# Altium PCB Lancelot.PcbDoc (part 4 of 14)
Units mil, origin at the board's own origin, x right, y up, seen from the top; angles counter-clockwise.
Board outline 4837.61 x 3252.61 mil, 6 copper layers (Top Layer, Mid-Layer 1, Mid-Layer 2, Mid-Layer 3, Mid-Layer 4, Bottom Layer); 372 components, 275 nets, 2062 pads, 1350 vias.
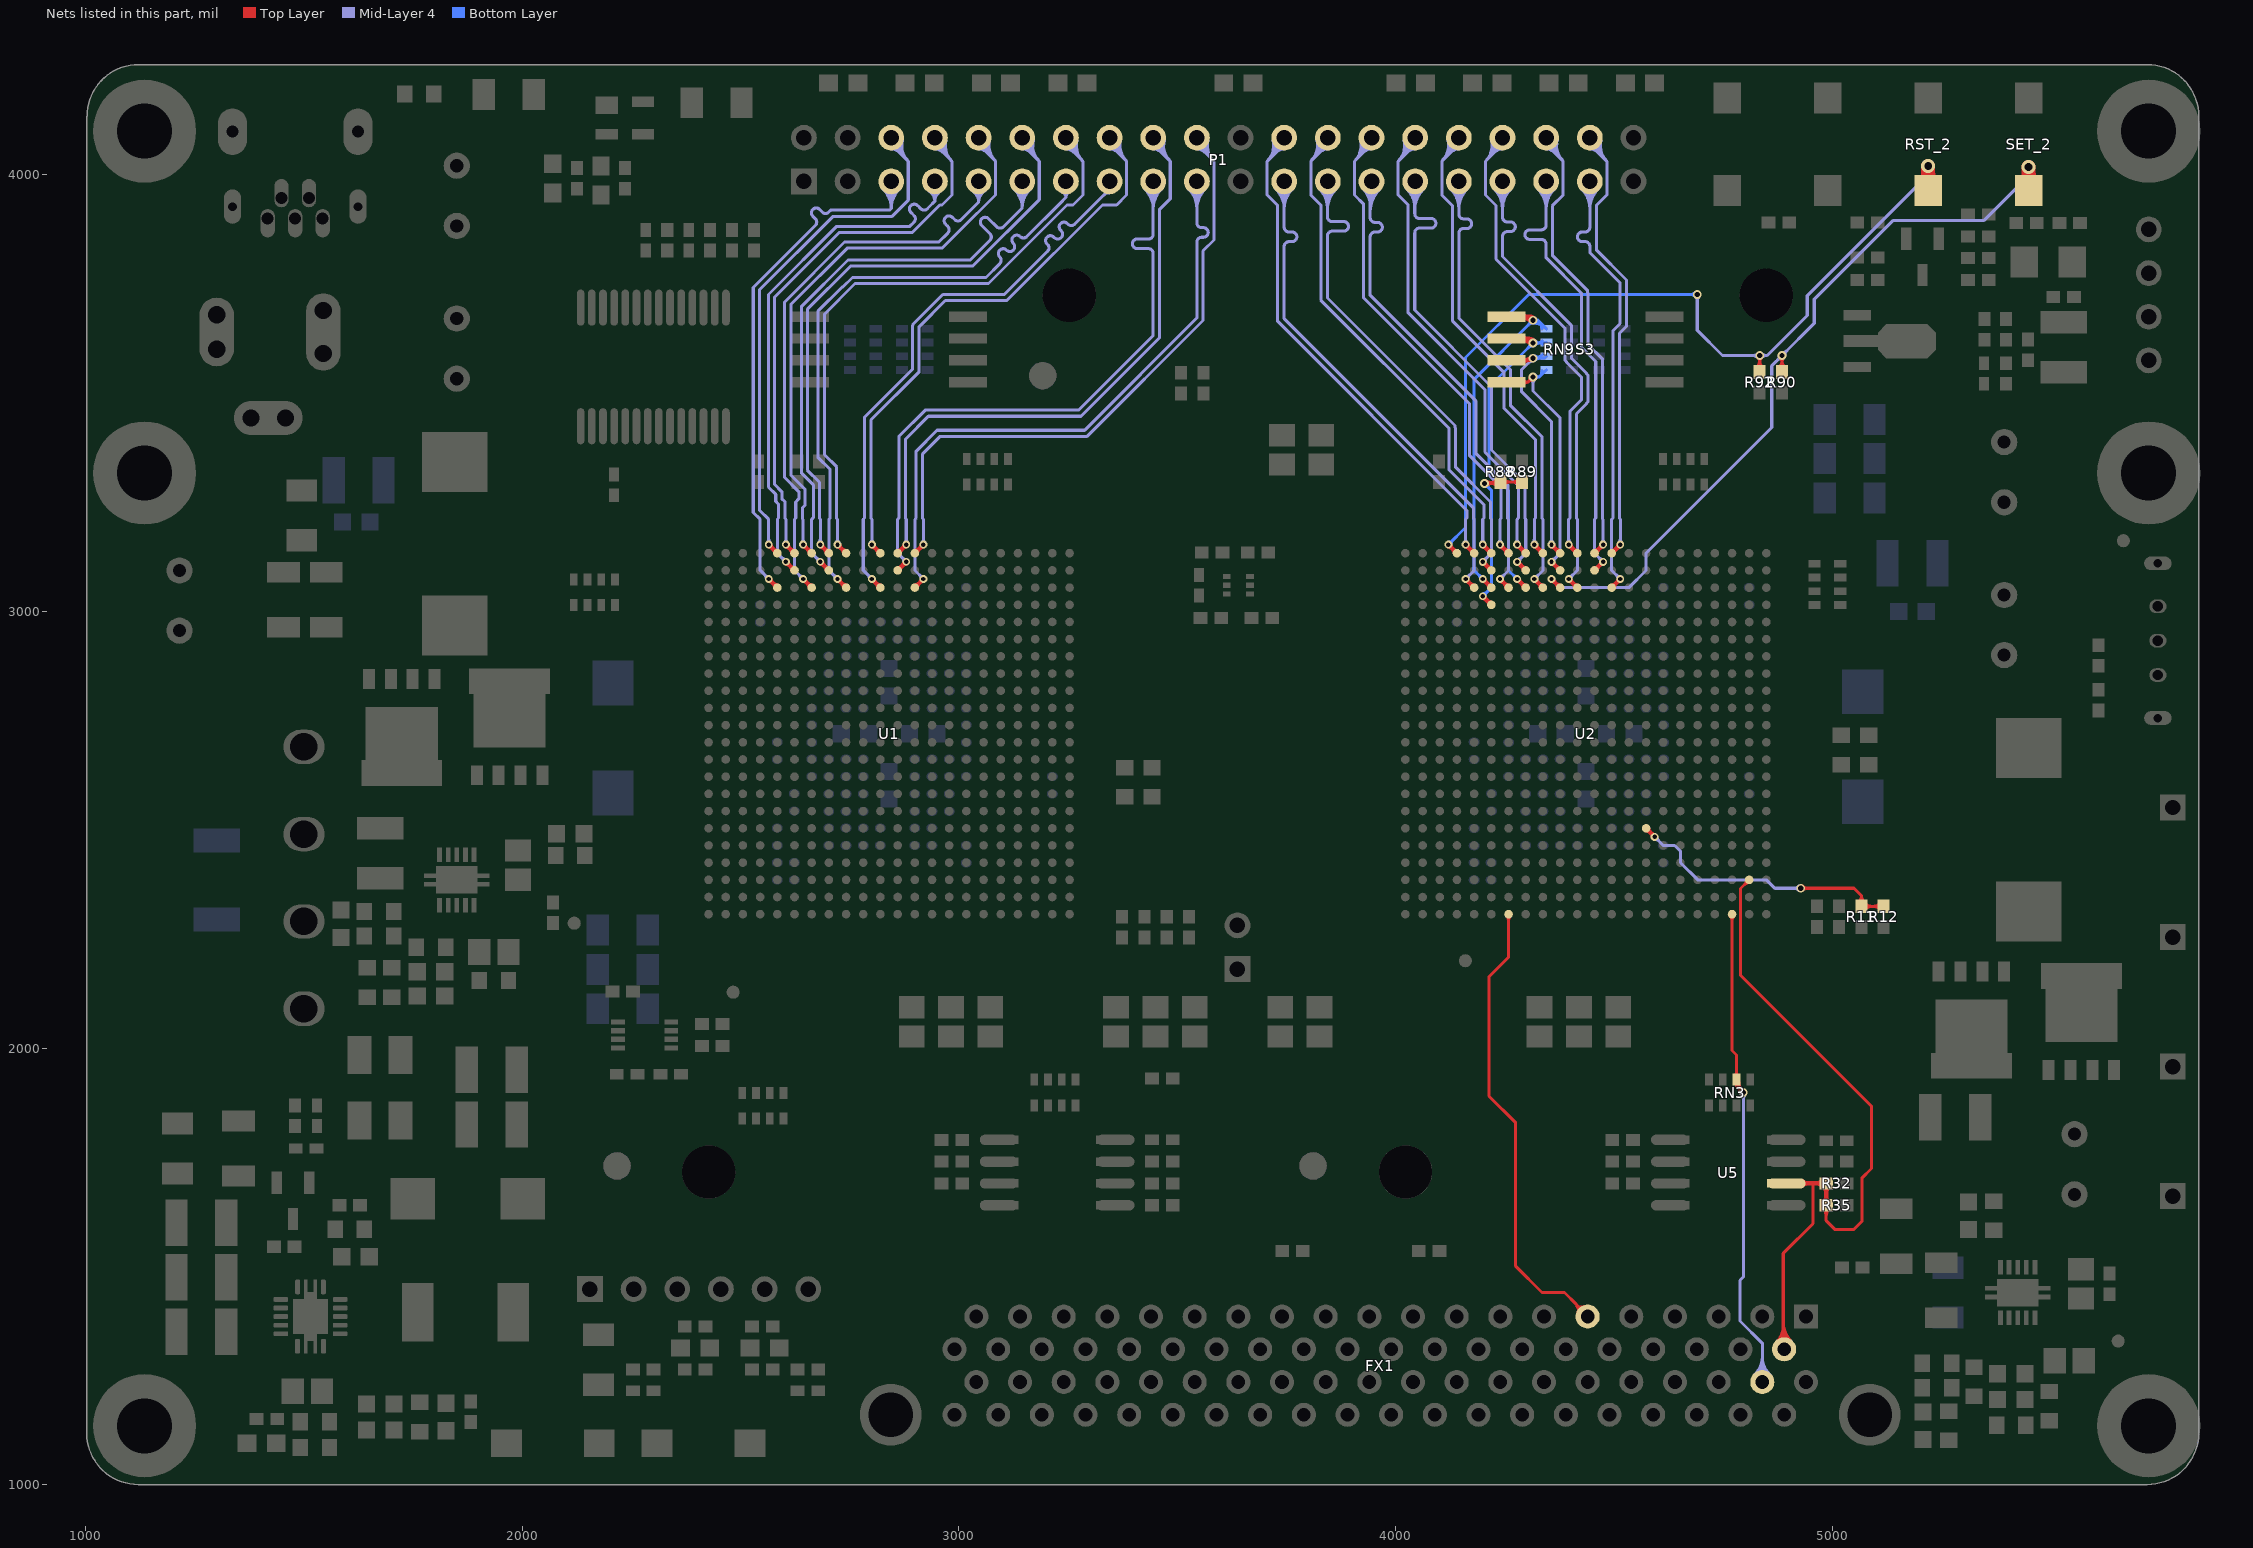
[diagram p8: the nets of this part, all layers, seen from the top]

## Via types
v1: diameter 18, hole 10, Top Layer to Bottom Layer, tented both sides, 625 vias
v2: diameter 20, hole 12, Top Layer to Bottom Layer, tented both sides, 515 vias
v3: diameter 32, hole 18, Top Layer to Bottom Layer, tented both sides, 191 vias
v4: diameter 23.62, hole 11.81, Top Layer to Bottom Layer, tented bottom, 10 vias
v5: diameter 19.68, hole 11.81, Top Layer to Bottom Layer, tented bottom, 4 vias
v6: diameter 118.11, hole 118.11, Top Layer to Bottom Layer, tented bottom, 2 vias
v7: diameter 78.74, hole 78.74, Top Layer to Bottom Layer, tented bottom, 2 vias
v8: diameter 50, hole 28, Top Layer to Bottom Layer, tented both sides, 1 vias

## Nets (pads, with @x,y where several pads share a name; then routed paths per layer and width w, separated by ;. In a path a pad name is that pad's centre, name@x,y a point inside that pad or via, vN(x,y) a via of type N, cw(c..) or ccw(c..) an arc to the next point about the centre after c; other vN are vias at no path point) (continued)
FPGA2_M1: R11.2 R12.2 U2.U15 | length 862.7
  Top Layer w7: v2(4928,2366) 5050,2366 5067,2349 ; v2@4932.6,2361.4 cw(c4943.69,2350.31) 4943.69,2366 cw(c4943.69,2381.69) v2@4932.6,2370.6 ; R11.2@5060.3,2334.38 ccw(c5047.72,2349) 5067,2349 ; R11.2@5073.71,2334.38 cw(c5086.28,2349) 5067,2349 ; R11.2@5074.27,2317.35 cw(c5091.82,2299.81) 5091.82,2324.62 cw(c5091.82,2349.44) R11.2@5074.27,2331.89 ; R12.2@5110.73,2317.35 ccw(c5093.18,2299.81) 5093.18,2324.62 ccw(c5093.18,2349.44) R12.2@5110.73,2331.89 ; R12.2@5118,2324.62 R11.2@5067,2324.62 5067,2349
  Top Layer w10: U2.U15@4573.79,2498.55 cw(c4573.79,2486.86) 4582.05,2495.13 cw(c4590.32,2503.39) U2.U15@4578.63,2503.39 ; U2.U15@4573.79,2503.39 v1(4593.47,2483.71) ; v1@4589.47,2483.71 ccw(c4579.82,2483.71) 4586.64,2490.54 ccw(c4593.47,2497.36) v1@4593.47,2487.71
  Mid-Layer 4 w7: v1@4593.47,2478.21 cw(c4593.47,2464.93) 4602.86,2474.32 cw(c4612.25,2483.71) v1@4598.97,2483.71 ; v1(4593.47,2483.71) 4613.16,2464.02 4639.32,2464.02 4652.53,2450.82 4652.53,2424.65 4691.9,2385.28 4849.38,2385.28 4868.66,2366 v2(4928,2366) ; v2@4923.4,2361.4 ccw(c4912.31,2350.31) 4912.31,2366 ccw(c4912.31,2381.69) v2@4923.4,2370.6
FPGA2_RDWR_B: FX1.11 U2.AB7 | length 1124.9
  Top Layer w7: U2.AB7@4254.34,2302.06 cw(c4243.51,2291.23) 4258.83,2291.23 cw(c4274.14,2291.23) U2.AB7@4263.31,2302.06 ; U2.AB7@4258.83,2306.54 4258.83,2208 4214.24,2163.42 4214.24,1889.79 4275,1829.03 4275,1500.38 4335.38,1440 4387,1440 4414,1413 4414,1411.12 ; FX1.11@4417.6,1393.9 ccw(c4402.64,1399.76) 4414,1411.12 ; FX1.11@4431.22,1407.52 cw(c4425.36,1422.48) 4414,1411.12 ; FX1.11@4440,1385.12 4414,1411.12
FPGA2_SCK: FX1.2 R32.2 R35.1 U2.Y21 U5.6 | length 1955.6
  Top Layer w7: U2.Y21@4803.67,2385.28 cw(c4788.35,2385.28) 4799.18,2374.46 cw(c4810.01,2363.63) U2.Y21@4810.01,2378.94 ; U2.Y21@4810.01,2385.28 4790,2365.28 4790,2166.79 5090,1866.79 5090,1724 5068,1702 5068,1603 5049,1584 5007,1584 4986.38,1604.62 R35.1@4986.38,1640 ; FX1.2@4872.99,1327.13 ccw(c4836.74,1363.37) 4888,1363.37 ; FX1.2@4877.94,1322.18 ccw(c4853.64,1346.47) 4888,1346.47 ; 4888,1339.23 ccw(c4919.11,1339.23) FX1.2@4897.11,1317.23 ; 4888,1356.13 ccw(c4936.01,1356.13) FX1.2@4902.06,1322.18 ; 4888,1373.03 ccw(c4952.91,1373.03) FX1.2@4907.01,1327.13 ; FX1.2@4890,1310.12 4888,1312.12 4888,1530 4956,1598 4956,1690 ; R35.1@4979.11,1632.73 cw(c4961.56,1615.18) 4986.38,1615.18 cw(c5011.19,1615.18) R35.1@4993.65,1632.73
  Top Layer w10: U5.6@4916.1,1690 4956,1690 R32.2@4986.38,1690 R35.1@4986.38,1640 ; U5.6@4932.17,1685.18 cw(c4943.8,1673.56) 4943.8,1690 cw(c4943.8,1706.44) U5.6@4932.17,1694.82 ; R32.2@4978.2,1683.79 ccw(c4963.21,1668.8) 4963.21,1690 ccw(c4963.21,1711.2) R32.2@4978.2,1696.21 ; R35.1@4980.17,1646.21 ccw(c4965.18,1661.2) 4986.38,1661.2 ccw(c5007.57,1661.2) R35.1@4992.59,1646.21 ; R32.2@4980.17,1683.79 cw(c4965.18,1668.8) 4986.38,1668.8 cw(c5007.57,1668.8) R32.2@4992.59,1683.79
FPGA2_SDI: FX1.43 RN3.6 U2.AB20 | length 1421.3
  Top Layer w7: U2.AB20@4766.15,2302.06 cw(c4755.33,2291.23) 4770.64,2291.23 cw(c4785.95,2291.23) U2.AB20@4775.12,2302.06 ; U2.AB20@4770.64,2306.54 4770.64,1994.36 4780.75,1984.25 RN3.6@4780.75,1927.53 4780.75,1913.74 v2(4796.5,1897.99) ; RN3.6@4776.96,1936.24 ccw(c4767.81,1945.38) 4780.75,1945.38 ccw(c4793.68,1945.38) RN3.6@4784.54,1936.24 ; RN3.6@4779.11,1922.61 ccw(c4796.55,1922.61) 4784.22,1910.27 ; RN3.6@4786.11,1922.61 ccw(c4820.45,1922.61) v2@4796.17,1898.32 ; 4788.4,1911.77 ccw(c4802.35,1919.82) v2@4798.18,1904.27 ; 4788.69,1911.27 cw(c4775.46,1903.63) v2@4790.22,1899.67 ; v2@4790,1897.99 ccw(c4774.3,1897.99) 4785.4,1909.09 ccw(c4796.5,1920.18) v2@4796.5,1904.49
  Mid-Layer 4 w7: v2@4791.9,1893.39 cw(c4780.8,1882.3) 4796.5,1882.3 cw(c4812.19,1882.3) v2@4801.09,1893.39 ; v2(4796.5,1897.99) 4796.5,1475.5 4789,1468 4789,1375 4840,1324 FX1.43@4840,1235.12 ; FX1.43@4822.99,1252.13 ccw(c4781.92,1293.2) 4840,1293.2 ccw(c4898.08,1293.2) FX1.43@4857.01,1252.13 ; FX1.43@4827.94,1247.18 ccw(c4798.81,1276.3) 4840,1276.3 ccw(c4881.18,1276.3) FX1.43@4852.06,1247.18
FPGA2_SW1: R92.1 RST_2.1 U2.A4 | length 2306.8
  Top Layer w7: R92.1@4826.73,3557.86 ccw(c4809.18,3575.41) 4834,3575.41 ccw(c4858.82,3575.41) R92.1@4841.27,3557.86 ; v2@4829.4,3581.4 cw(c4818.31,3570.31) 4834,3570.31 cw(c4849.69,3570.31) v2@4838.6,3581.4 ; R92.1@4834,3548.62 v2(4834,3586)
  Top Layer w10: v1@4121.03,3149 cw(c4121.03,3139.34) 4127.86,3146.17 cw(c4134.69,3153) v1@4125.03,3153 ; v1(4121.03,3153) U2.A4@4140.72,3133.32 ; U2.A4@4135.87,3133.32 ccw(c4124.18,3133.32) 4132.45,3141.58 ccw(c4140.72,3149.85) U2.A4@4140.72,3138.16
  Top Layer w32: RST_2.1@5209.04,3978.6 ccw(c5182.59,4005.05) 5220,4005.05 ccw(c5257.41,4005.05) RST_2.1@5230.96,3978.6 ; RST_2.1@5220,3963.7 v3(5220,4020)
  Mid-Layer 4 w7: v2@4686.4,3721.4 cw(c4675.31,3710.31) 4691,3710.31 cw(c4706.69,3710.31) v2@4695.6,3721.4 ; v2(4691,3726) 4691,3644 4749,3586 v2(4834,3586) 4851,3586 4943,3678 4943,3723 5220,4000 ; v2@4829.4,3581.4 ccw(c4818.31,3570.31) 4818.31,3586 ccw(c4818.31,3601.69) v2@4829.4,3590.6 ; v2@4838.6,3581.4 cw(c4849.69,3570.31) 4849.69,3586 cw(c4849.69,3601.69) v2@4838.6,3590.6 ; v3@5214.52,4008.76 cw(c5210.25,4000) 5220,4000 ; v3(5220,4020) 5220,4000 ; v3@5225.48,4008.76 ccw(c5229.75,4000) 5220,4000
  Bottom Layer w7: v1(4121.03,3153) 4160.4,3192.37 4160.4,3581.5 4304.9,3726 v2(4691,3726) ; v1@4121.03,3158.5 ccw(c4121.03,3171.78) 4130.42,3162.39 ccw(c4139.81,3153) v1@4126.53,3153 ; v2@4686.4,3721.4 ccw(c4675.31,3710.31) 4675.31,3726 ccw(c4675.31,3741.69) v2@4686.4,3730.6
FPGA2_SW2: R88.1 R89.2 U2.D6 | length 627.1
  Top Layer w7: v2(4204,3293) R88.1@4236.62,3293 ; v2@4207.49,3298.48 ccw(c4218.11,3315.17) 4223.22,3296.07 ; v2@4208.6,3288.4 cw(c4219.69,3277.31) 4219.69,3293 cw(c4219.69,3308.69) v2@4208.6,3297.6 ; v2@4209.63,3289.75 cw(c4217.27,3285.34) 4214.98,3293.86 ; v2@4211.78,3293 ccw(c4211.78,3322.63) R88.1@4232.73,3301.68 ; 4218.59,3293 cw(c4218.59,3273) R88.1@4232.73,3287.14 ; R88.1@4240,3296.38 R89.2@4290,3296.38 ; R88.1@4247.27,3289.11 cw(c4264.82,3271.56) 4264.82,3296.38 cw(c4264.82,3321.19) R88.1@4247.27,3303.65 ; R89.2@4282.73,3289.11 ccw(c4265.18,3271.56) 4265.18,3296.38 ccw(c4265.18,3321.19) R89.2@4282.73,3303.65
  Top Layer w10: v1@4199.77,3030.89 cw(c4199.77,3021.23) 4206.6,3028.06 cw(c4213.43,3034.89) v1@4203.77,3034.89 ; v1(4199.77,3034.89) U2.D6@4219.46,3015.2 ; U2.D6@4214.61,3015.2 ccw(c4202.92,3015.2) 4211.19,3023.47 ccw(c4219.46,3031.74) U2.D6@4219.46,3020.05
  Bottom Layer w7: v1(4199.77,3034.89) 4219.46,3054.58 4219.46,3277.54 v2(4204,3293) ; v1@4199.77,3040.39 ccw(c4199.77,3053.67) 4209.16,3044.28 ccw(c4218.55,3034.89) v1@4205.27,3034.89 ; v2@4204,3286.5 cw(c4204,3270.81) 4215.1,3281.9 cw(c4226.19,3293) v2@4210.5,3293
FPGA2_SW3: RN9.8 S3.1 U2.C6 | length 1036.3
  Top Layer w10: v1@4199.77,3070.26 cw(c4199.77,3060.6) 4206.6,3067.43 cw(c4213.43,3074.26) v1@4203.77,3074.26 ; v1(4199.77,3074.26) U2.C6@4219.46,3054.57 ; U2.C6@4214.61,3054.57 ccw(c4202.92,3054.57) 4211.19,3062.84 ccw(c4219.46,3071.11) U2.C6@4219.46,3059.42 ; S3.1@4253.9,3675 4307,3675 ; S3.1@4283.62,3675 cw(c4283.62,3635.62) v2@4311.46,3663.46 ; S3.1@4290.21,3670.18 cw(c4301.84,3658.56) 4301.84,3675 cw(c4301.84,3691.44) S3.1@4290.21,3679.82 ; 4307.76,3675 cw(c4307.76,3659.76) v2@4318.54,3670.54 ; v2@4310.01,3667.23 ccw(c4299.72,3667.72) 4307,3675 ; v2@4314.77,3671.99 cw(c4314.28,3682.28) 4307,3675 ; v2(4315,3667) 4307,3675
  Bottom Layer w7: v1@4194.27,3074.26 ccw(c4180.99,3074.26) 4190.38,3083.65 ccw(c4199.77,3093.04) v1@4199.77,3079.76 ; v1(4199.77,3074.26) 4180.09,3093.94 4180.09,3532.09 v2(4315,3667) 4325.72,3667 ; v2@4308.5,3667 cw(c4292.81,3667) 4303.9,3655.9 cw(c4315,3644.81) 4315,3660.5 cw(c4315,3618.94) RN9.8@4344.39,3648.33 ; v2@4315,3667.5 cw(c4315,3642.84) 4332.44,3660.28 ; v2@4320.76,3664 cw(c4325.72,3661.42) 4325.72,3667 ; v2@4320.76,3670 ccw(c4325.72,3672.58) 4325.72,3667 ; 4327.92,3664.79 cw(c4310.38,3647.24) RN9.8@4335.19,3647.24 ; RN9.8@4345.47,3647.24 4325.72,3667
FPGA2_SW4: RN9.7 S3.2 U2.C8 | length 955.6
  Top Layer w10: S3.2@4253.9,3625 4305,3625 v2(4315,3615) ; v1@4278.51,3070.26 cw(c4278.51,3060.6) 4285.34,3067.43 cw(c4292.17,3074.26) v1@4282.51,3074.26 ; v1(4278.51,3074.26) U2.C8@4298.2,3054.57 ; S3.2@4278.79,3625 cw(c4278.79,3578.79) v2@4311.46,3611.46 ; S3.2@4290.21,3620.18 cw(c4301.84,3608.56) 4301.84,3625 cw(c4301.84,3641.44) S3.2@4290.21,3629.82 ; U2.C8@4293.35,3054.57 ccw(c4281.66,3054.57) 4289.93,3062.84 ccw(c4298.2,3071.11) U2.C8@4298.2,3059.42 ; 4302.93,3625 cw(c4302.93,3602.93) v2@4318.54,3618.54 ; v2@4310,3615 ccw(c4297.93,3615) 4306.46,3623.54 ccw(c4315,3632.07) v2@4315,3620
  Bottom Layer w7: v1@4273.01,3074.26 ccw(c4259.73,3074.26) 4269.12,3083.65 ccw(c4278.51,3093.04) v1@4278.51,3079.76 ; v1(4278.51,3074.26) 4258.83,3093.94 4258.83,3277.17 4214,3322 4214,3514 v2(4315,3615) 4344.72,3615 RN9.7@4345.47,3615.75 ; v2@4308.5,3615 cw(c4292.81,3615) 4303.9,3603.9 cw(c4315,3592.81) v2@4315,3608.5 ; v2@4319.6,3610.4 cw(c4330.69,3599.31) 4330.69,3615 cw(c4330.69,3630.69) v2@4319.6,3619.6 ; 4325.81,3615 ccw(c4325.81,3630.49) RN9.7@4336.76,3619.54 ; 4329.42,3615 cw(c4329.42,3604.62) RN9.7@4336.76,3611.96
FPGA2_SW5: RN9.6 S3.3 U2.A10 | length 849.2
  Top Layer w7: S3.3@4253.9,3575 4310,3575 v2(4315,3580) ; S3.3@4287.24,3575 ccw(c4287.24,3607.76) v2@4310.4,3584.6 ; S3.3@4291.27,3569.12 cw(c4305.46,3554.94) 4305.46,3575 cw(c4305.46,3595.06) S3.3@4291.27,3580.88 ; S3.3@4294.95,3572.18 ccw(c4288.8,3595.12) v2@4309.37,3583.25 ; 4301.51,3573.94 ccw(c4298.93,3583.56) v2@4308.65,3581.41 ; 4304.14,3575 ccw(c4304.14,3590.86) v2@4315.35,3579.65 ; 4305.96,3575.13 cw(c4307.93,3567.76) 4311.75,3574.37 ccw(c4307.93,3567.76) 4305.96,3575.13
  Top Layer w10: v1@4357.25,3149 cw(c4357.25,3139.34) 4364.08,3146.17 cw(c4370.91,3153) v1@4361.25,3153 ; v1(4357.25,3153) U2.A10@4376.94,3133.32 ; U2.A10@4372.09,3133.32 ccw(c4360.4,3133.32) 4368.67,3141.58 ccw(c4376.94,3149.85) U2.A10@4376.94,3138.16
  Mid-Layer 4 w7: v2@4308.5,3580 cw(c4292.81,3580) 4303.9,3568.9 cw(c4315,3557.81) v2@4315,3573.5 ; v2(4315,3580) 4288,3553 4288,3504 4357.25,3434.75 v1(4357.25,3153) ; v1@4353.36,3156.89 ccw(c4343.97,3166.28) 4357.25,3166.28 ccw(c4370.53,3166.28) v1@4361.14,3156.89
  Bottom Layer w7: v2(4315,3580) 4341.22,3580 RN9.6@4345.47,3584.25 ; v2@4317.35,3580 ccw(c4317.35,3607.45) RN9.6@4336.76,3588.04 ; v2@4318.68,3585.36 ccw(c4326.49,3596.73) 4330.06,3583.41 ; v2@4319.6,3575.4 cw(c4330.69,3564.31) 4330.69,3580 cw(c4330.69,3595.69) v2@4319.6,3584.6 ; v2@4320.63,3576.75 cw(c4332.42,3569.94) 4328.9,3583.09
FPGA2_SW6: RN9.5 S3.4 U2.B10 | length 756.5
  Top Layer w7: S3.4@4253.9,3525 4303,3525 ; S3.4@4291.81,3519.72 cw(c4303,3510.51) 4303,3525 ; S3.4@4291.81,3530.28 ccw(c4303,3539.49) 4303,3525 ; v2@4308.5,3537 cw(c4292.81,3537) 4303.9,3525.9 cw(c4315,3514.81) v2@4315,3530.5 ; v2(4315,3537) 4303,3525
  Top Layer w10: v1@4357.25,3109.63 cw(c4357.25,3099.97) 4364.08,3106.8 cw(c4370.91,3113.63) v1@4361.25,3113.63 ; v1(4357.25,3113.63) U2.B10@4376.94,3093.94 ; U2.B10@4372.09,3093.94 ccw(c4360.4,3093.94) 4368.67,3102.21 ccw(c4376.94,3110.48) U2.B10@4376.94,3098.79
  Mid-Layer 4 w7: v2@4310.4,3532.4 cw(c4299.31,3521.31) 4315,3521.31 cw(c4330.69,3521.31) v2@4319.6,3532.4 ; v2(4315,3537) 4315,3505 4377,3443 4377,3133.38 v1(4357.25,3113.63) ; v1@4357.25,3119.13 ccw(c4357.25,3132.41) 4366.64,3123.02 ccw(c4376.02,3113.63) v1@4362.75,3113.63
  Bottom Layer w7: v2(4315,3537) 4329.72,3537 ; v2@4319.8,3532.62 cw(c4329.72,3523.59) 4329.72,3537 ; v2@4319.8,3541.38 ccw(c4329.72,3550.41) 4329.72,3537 ; RN9.5@4335.22,3552.26 cw(c4316.24,3550.48) 4329.72,3537 ; RN9.5@4345.47,3552.76 4329.72,3537
FPGA2_SW7: R90.1 SET_2.1 U2.C10 | length 2017.2
  Top Layer w7: R90.1@4877.73,3557.86 ccw(c4860.18,3575.41) 4885,3575.41 ccw(c4909.82,3575.41) R90.1@4892.27,3557.86 ; v2@4880.4,3581.4 cw(c4869.31,3570.31) 4885,3570.31 cw(c4900.69,3570.31) v2@4889.6,3581.4 ; R90.1@4885,3548.62 v2(4885,3586)
  Top Layer w10: v1@4357.25,3070.26 cw(c4357.25,3060.6) 4364.08,3067.43 cw(c4370.91,3074.26) v1@4361.25,3074.26 ; v1(4357.25,3074.26) U2.C10@4376.94,3054.57 ; U2.C10@4372.09,3054.57 ccw(c4360.4,3054.57) 4368.67,3062.84 ccw(c4376.94,3071.11) U2.C10@4376.94,3059.42
  Top Layer w32: SET_2.1@5439.04,3978.6 ccw(c5412.59,4005.05) 5450,4005.05 ccw(c5487.41,4005.05) SET_2.1@5460.96,3978.6 ; SET_2.1@5450,3963.7 v3(5450,4018)
  Mid-Layer 4 w7: v1@4357.25,3068.76 cw(c4357.25,3055.48) 4366.64,3064.87 cw(c4376.03,3074.26) v1@4362.75,3074.26 ; v1(4357.25,3074.26) 4376.94,3054.57 4534.42,3054.57 4573.79,3093.94 4573.79,3133.32 4861.62,3421.15 4861.62,3562.62 v2(4885,3586) 4959,3660 4959,3715 5139,3895 5347,3895 5450,3998 ; v2@4878.5,3586 cw(c4862.81,3586) 4873.9,3574.9 cw(c4885,3563.81) v2@4885,3579.5 ; v2@4885,3592.5 ccw(c4885,3608.19) 4896.1,3597.1 ccw(c4907.19,3586) v2@4891.5,3586 ; v3@5444.52,4006.76 cw(c5440.25,3998) 5450,3998 ; v3(5450,4018) 5450,3998 ; v3@5455.48,4006.76 ccw(c5459.75,3998) 5450,3998
FX1_FPGA1_1_N: P1.6 U1.A5 | length 1426.8
  Top Layer w10: v1@2564.41,3149.07 cw(c2564.41,3139.41) 2571.24,3146.24 cw(c2578.07,3153.07) v1@2568.41,3153.07 ; v1(2564.41,3153.07) U1.A5@2584.09,3133.39 ; U1.A5@2579.25,3133.39 ccw(c2567.56,3133.39) 2575.83,3141.65 ccw(c2584.09,3149.92) U1.A5@2584.09,3138.23
  Mid-Layer 4 w7: v1@2560.52,3156.96 ccw(c2551.13,3166.35) 2564.41,3166.35 ccw(c2577.69,3166.35) v1@2568.3,3156.96 ; v1(2564.41,3153.07) 2564.41,3211 2543,3232.41 2543,3736 2712,3905 2847,3905 2884.03,3942.03 2884.03,4030.97 ; P1.6@2845,4058.97 cw(c2845,4032.35) 2863.83,4051.17 ; P1.6@2845,4070 2884.03,4030.97 ; P1.6@2849.89,4083.85 ccw(c2877.16,4077.45) 2857.36,4057.64 ; P1.6@2856.71,4082.25 ccw(c2891.56,4074.07) 2866.25,4048.75 ; P1.6@2863.52,4080.65 ccw(c2905.96,4070.68) 2875.14,4039.86 ; P1.6@2870.34,4079.05 ccw(c2920.35,4067.3) 2884.03,4030.97
FX1_FPGA1_1_P: P1.5 U1.C5 | length 1412.6
  Top Layer w10: v1@2564.41,3070.33 cw(c2564.41,3060.67) 2571.24,3067.5 cw(c2578.07,3074.33) v1@2568.41,3074.33 ; v1(2564.41,3074.33) U1.C5@2584.09,3054.65 ; U1.C5@2579.25,3054.65 ccw(c2567.56,3054.65) 2575.83,3062.91 ccw(c2584.09,3071.18) U1.C5@2584.09,3059.49
  Mid-Layer 4 w7: v1@2558.91,3074.33 ccw(c2545.63,3074.33) 2555.02,3083.72 ccw(c2564.41,3093.11) v1@2564.41,3079.83 ; v1(2564.41,3074.33) 2544.72,3094.02 2544.72,3210.89 2529,3226.61 2529,3741.8 2671.2,3884 ccw(c2663.42,3891.78) 2671.2,3899.56 2665.54,3905.21 cw(c2673.32,3912.99) 2665.54,3920.77 cw(c2673.32,3912.99) 2681.1,3920.77 2687.97,3913.9 ccw(c2694.54,3920.46) 2701.1,3913.9 2706.2,3919 2841.2,3919 2845,3922.8 ; P1.5@2826.73,3966.46 cw(c2783.7,3922.8) 2845,3922.8 ; P1.5@2831.64,3971.45 cw(c2800.18,3939.53) 2845,3939.53 cw(c2889.82,3939.53) P1.5@2858.36,3971.45 ; P1.5@2845,3970 2845,3922.8 ; P1.5@2863.27,3966.46 ccw(c2906.3,3922.8) 2845,3922.8
FX1_FPGA1_2_N: P1.8 U1.A6 | length 1477.3
  Top Layer w10: v1@2603.78,3149.07 cw(c2603.78,3139.41) 2610.61,3146.24 cw(c2617.44,3153.07) v1@2607.78,3153.07 ; v1(2603.78,3153.07) U1.A6@2623.46,3133.39 ; U1.A6@2618.62,3133.39 ccw(c2606.93,3133.39) 2615.2,3141.65 ccw(c2623.46,3149.92) U1.A6@2623.46,3138.23
  Mid-Layer 4 w7: v1@2599.89,3156.96 ccw(c2590.5,3166.35) 2603.78,3166.35 ccw(c2617.06,3166.35) v1@2607.67,3156.96 ; v1(2603.78,3153.07) 2603.78,3211 2601.94,3212.84 2601.94,3250.49 2594.5,3257.92 2594.5,3274.08 2578,3290.58 2578,3720 2726,3868 2893.42,3868 2956.4,3930.97 2961.17,3930.97 2984.03,3953.83 2984.03,4030.97 ; P1.8@2945,4058.97 cw(c2945,4032.35) 2963.83,4051.17 ; P1.8@2945,4070 2984.03,4030.97 ; P1.8@2949.89,4083.85 ccw(c2977.16,4077.45) 2957.36,4057.64 ; P1.8@2956.71,4082.25 ccw(c2991.56,4074.07) 2966.25,4048.75 ; P1.8@2963.52,4080.65 ccw(c3005.96,4070.68) 2975.14,4039.86 ; P1.8@2970.34,4079.05 ccw(c3020.35,4067.3) 2984.03,4030.97
FX1_FPGA1_2_P: P1.7 U1.B6 | length 1355.2
  Top Layer w10: v1@2603.78,3109.7 cw(c2603.78,3100.04) 2610.61,3106.87 cw(c2617.44,3113.7) v1@2607.78,3113.7 ; v1(2603.78,3113.7) U1.B6@2623.46,3094.02 ; U1.B6@2618.62,3094.02 ccw(c2606.93,3094.02) 2615.2,3102.28 ccw(c2623.46,3110.55) U1.B6@2623.46,3098.86
  Mid-Layer 4 w7: v1@2598.28,3113.7 ccw(c2585,3113.7) 2594.39,3123.09 ccw(c2603.78,3132.48) v1@2603.78,3119.2 ; v1(2603.78,3113.7) 2584.09,3133.39 2584.09,3211 2586.94,3213.84 2586.94,3245.69 2580.5,3252.12 2580.5,3268.28 2564,3284.78 2564,3725.8 2720.2,3882 2887.62,3882 2897,3891.38 ccw(c2889.22,3899.15) 2897,3906.93 2889.94,3914 cw(c2897.71,3921.77) 2889.94,3929.55 cw(c2897.71,3921.77) 2905.49,3929.55 2912.56,3922.49 ccw(c2920.33,3930.27) 2928.11,3922.49 2931.7,3926.08 2945,3939.38 ; P1.7@2931.75,3962.59 cw(c2918.03,3939.38) 2945,3939.38 ; P1.7@2935.32,3968.62 cw(c2925.28,3951.65) 2945,3951.65 cw(c2964.72,3951.65) P1.7@2954.68,3968.62 ; P1.7@2945,3970 2945,3939.38 ; P1.7@2958.25,3962.59 ccw(c2971.97,3939.38) 2945,3939.38
FX1_FPGA1_3_N: P1.10 U1.A7 | length 1536.4
  Top Layer w10: v1@2643.15,3149.07 cw(c2643.15,3139.41) 2649.98,3146.24 cw(c2656.81,3153.07) v1@2647.15,3153.07 ; v1(2643.15,3153.07) U1.A7@2662.83,3133.39 ; U1.A7@2657.99,3133.39 ccw(c2646.3,3133.39) 2654.57,3141.65 ccw(c2662.83,3149.92) U1.A7@2662.83,3138.23
  Mid-Layer 4 w7: v1@2639.26,3156.96 ccw(c2629.87,3166.35) 2643.15,3166.35 ccw(c2656.43,3166.35) v1@2647.04,3156.96 ; v1(2643.15,3153.07) 2643.15,3211 2641.31,3212.84 2641.31,3237 2647.5,3243.19 2647.5,3279.88 2615,3312.38 2615,3703 2744,3832 2961.21,3832 3040.61,3911.39 3041.59,3911.39 3084.03,3953.83 3084.03,4030.97 ; P1.10@3045,4058.97 cw(c3045,4032.35) 3063.83,4051.17 ; P1.10@3045,4070 3084.03,4030.97 ; P1.10@3049.89,4083.85 ccw(c3077.16,4077.45) 3057.36,4057.64 ; P1.10@3056.71,4082.25 ccw(c3091.56,4074.07) 3066.25,4048.75 ; P1.10@3063.52,4080.65 ccw(c3105.96,4070.68) 3075.14,4039.86 ; P1.10@3070.34,4079.05 ccw(c3120.35,4067.3) 3084.03,4030.97